# Altium PCB 6502_CPU_MainBoard_PCB_V1_2_x.PcbDoc (part 1 of 4) (continued)
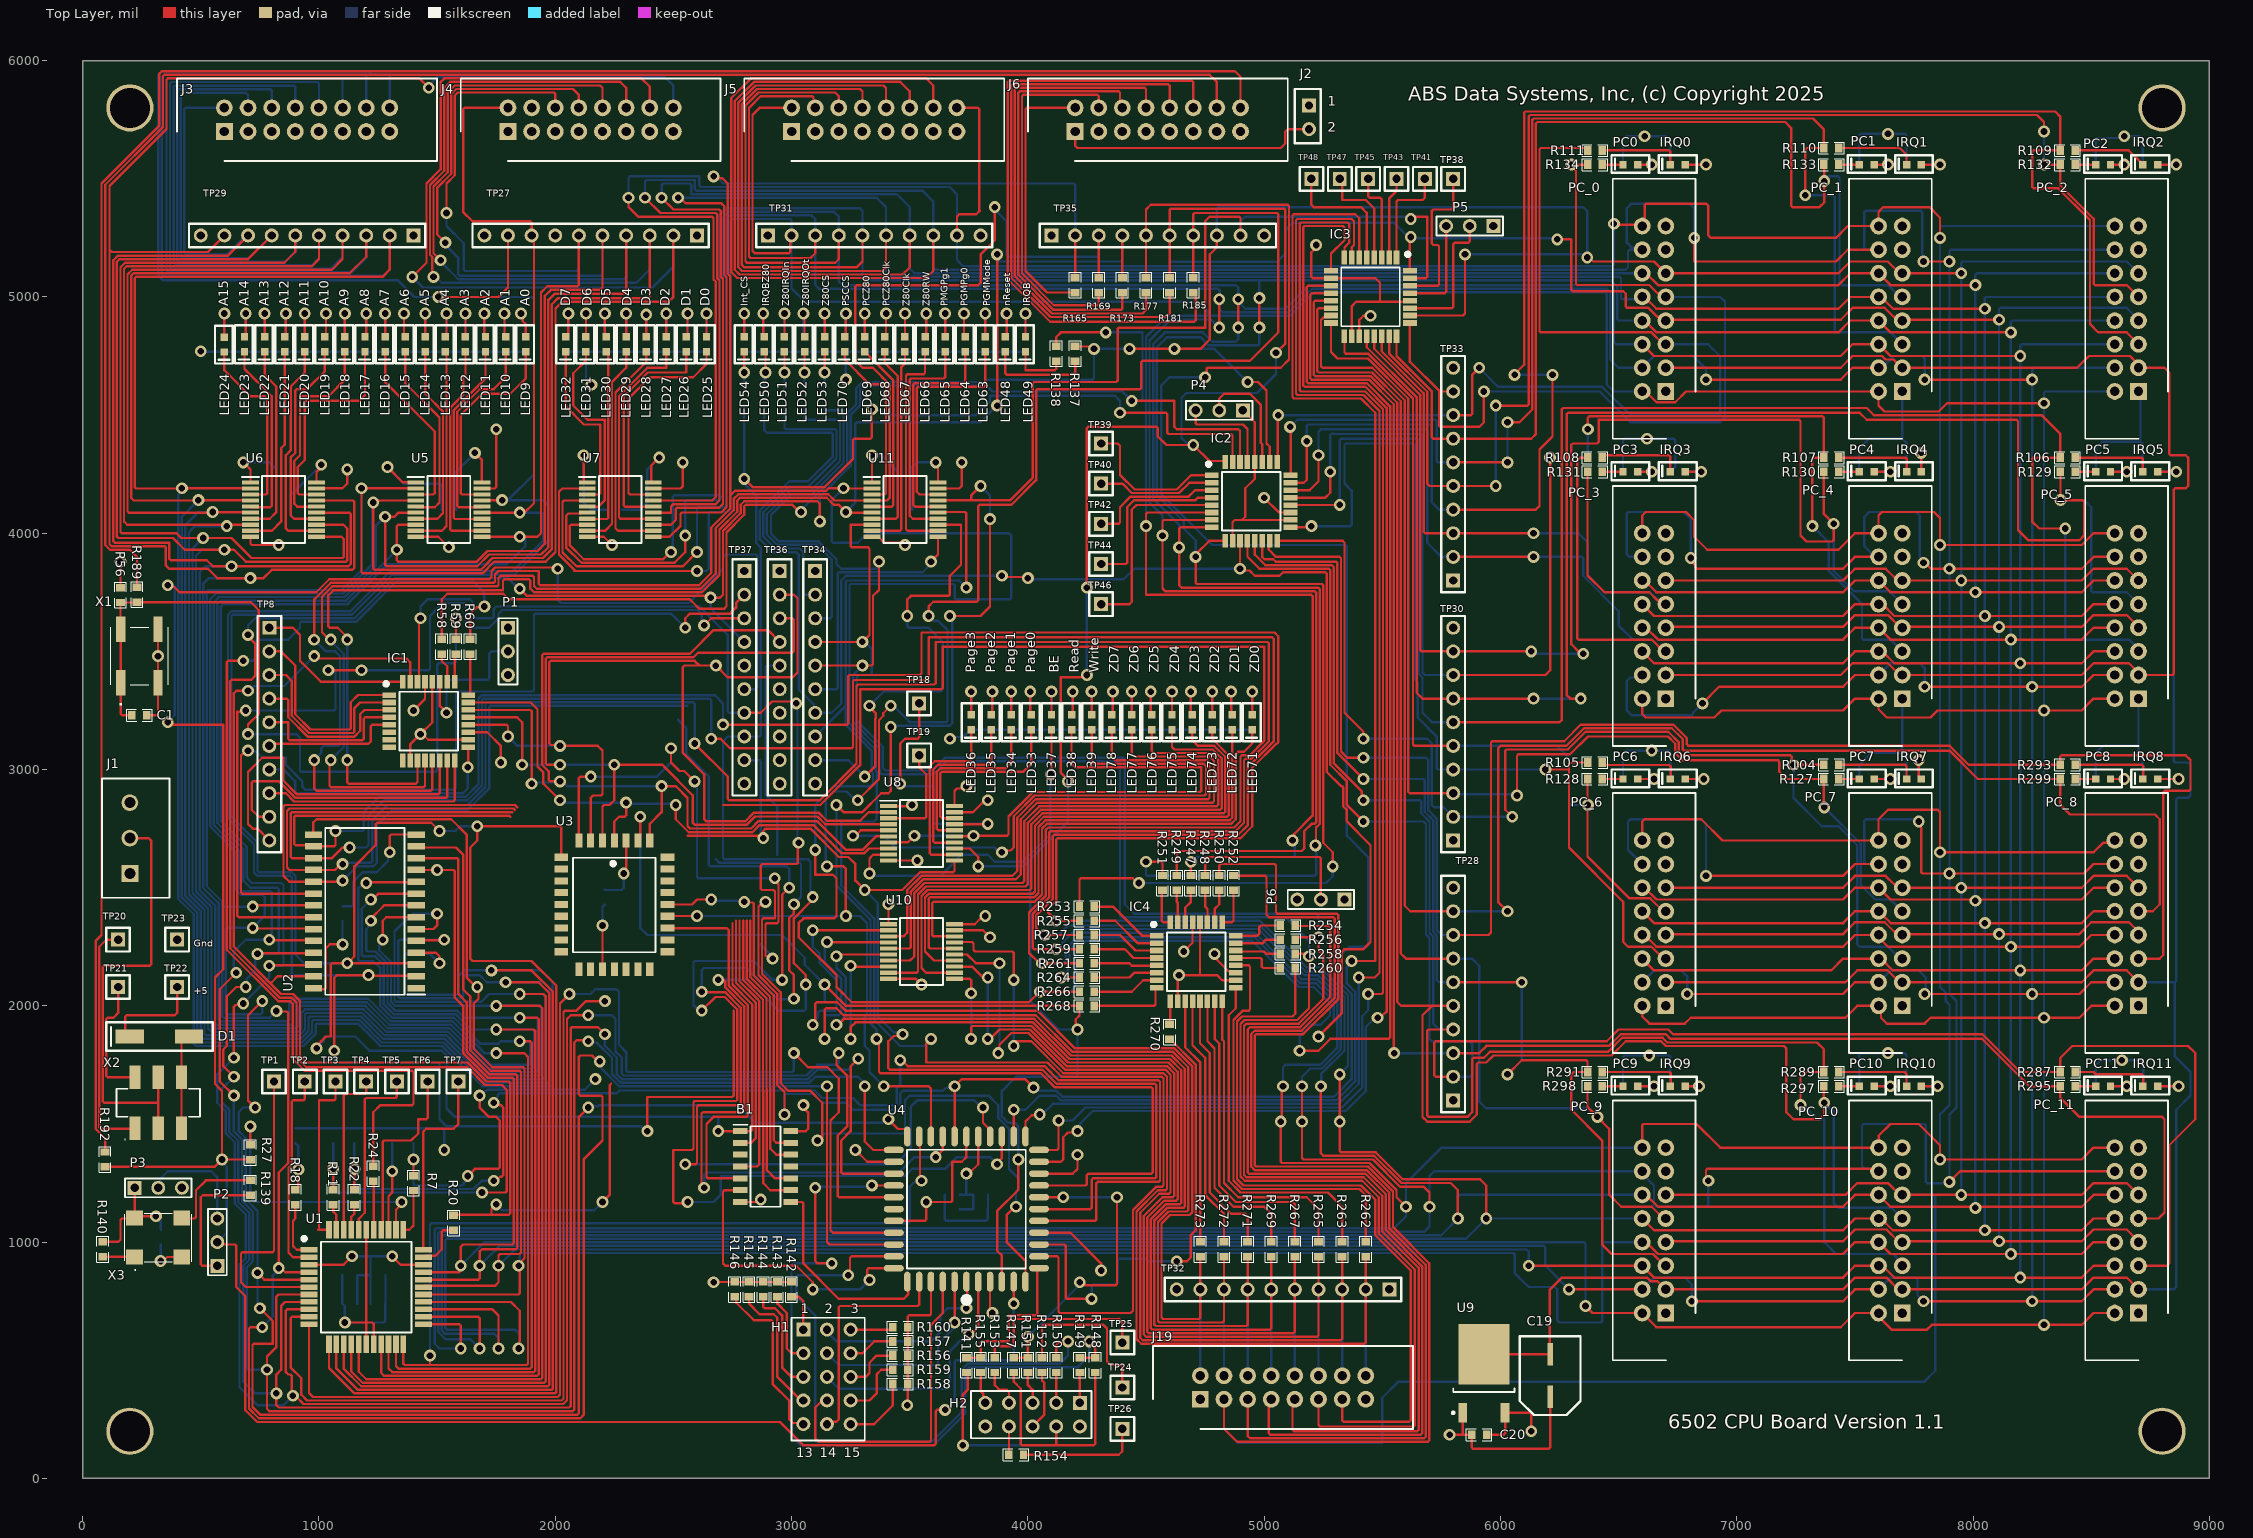
[diagram p0: Top Layer view]
## Part data (continued)
LED9 LED10 LED11 LED12 LED13 LED14 LED15 LED16 LED17 LED18 LED19 LED20 LED21 LED22 LED23 LED24: library part 150060GS75000, "Wurth Elektronik 0603 green", Case Code (Imperial)=0603, Case Code (Metric)=1608, Color=Green, Forward Current=30mA, Forward Voltage=3.2V, Manufacturer="Wurth Electronics", Max Operating Temperature=85°C, Min Operating Temperature=-40°C, Package Quantity=4000, Test Current=20mA, Case/Package=0603, Category=LEDs, ComponentLink1Description=https://datasheet.ciiva.com/29562/150060gs75000-29562868.pdf?src-supplier=Digi-Key, ComponentLink1URL=https://datasheet.ciiva.com/29562/150060gs75000-29562868.pdf?src-supplier=Digi-Key, ComponentLink2Description=https://datasheet.ciiva.com/29279/759427-da-01-en-chipled-0603-w-kl-gruen-150060gs75000-29279201.pdf?src-supplier=Conrad, ComponentLink2URL=https://datasheet.ciiva.com/29279/759427-da-01-en-chipled-0603-w-kl-gruen-150060gs75000-29279201.pdf?src-supplier=Conrad, ComponentLink3Description=https://datasheet.ciiva.com/29562/150060gs75000-29562869.pdf?src-supplier=Digi-Key, ComponentLink3URL=https://datasheet.ciiva.com/29562/150060gs75000-29562869.pdf?src-supplier=Digi-Key, ComponentLink4Description=https://datasheet.ciiva.com/29562/150060gs75000-29562870.pdf?src-supplier=Digi-Key, ComponentLink4URL=https://datasheet.ciiva.com/29562/150060gs75000-29562870.pdf?src-supplier=Digi-Key, Dominant Wavelength=520nm, Height=0.7mm, Lead Free="Lead Free", Length=1.6mm, Lens Style=Clear,Rectangular, Luminous Intensity=430mcd, Manufacturer Part Number=150060GS75000, Mount="Surface Mount", Packaging="Tape and Reel", Pricing 1="1=0.14000, 50=0.13300, 100=0.11400, 500=0.09900 (USD)", REACH SVHC=Unknown, RoHS=Yes, Stock 1=71509, Supplier 1=Digi-Key, Viewing Angle=140°, Wavelength=520nm, Width=0.8mm
LED25 LED26 LED27 LED28 LED29 LED30 LED31 LED32: library part 150060BS75000, "Wurth Elektronik 0603 blue", Case Code (Imperial)=0603, Case Code (Metric)=1608, Color=Green, Forward Current=30mA, Forward Voltage=3.2V, Manufacturer="Wurth Electronics", Manufacturer Part Number=150060GS75000, Max Operating Temperature=85°C, Min Operating Temperature=-40°C, Package Quantity=4000, Test Current=20mA, Case/Package=0603, Category=LEDs, ComponentLink1Description=https://datasheet.ciiva.com/29562/150060gs75000-29562868.pdf?src-supplier=Digi-Key, ComponentLink1URL=https://datasheet.ciiva.com/29562/150060gs75000-29562868.pdf?src-supplier=Digi-Key, ComponentLink2Description=https://datasheet.ciiva.com/29279/759427-da-01-en-chipled-0603-w-kl-gruen-150060gs75000-29279201.pdf?src-supplier=Conrad, ComponentLink2URL=https://datasheet.ciiva.com/29279/759427-da-01-en-chipled-0603-w-kl-gruen-150060gs75000-29279201.pdf?src-supplier=Conrad, ComponentLink3Description=https://datasheet.ciiva.com/29562/150060gs75000-29562869.pdf?src-supplier=Digi-Key, ComponentLink3URL=https://datasheet.ciiva.com/29562/150060gs75000-29562869.pdf?src-supplier=Digi-Key, ComponentLink4Description=https://datasheet.ciiva.com/29562/150060gs75000-29562870.pdf?src-supplier=Digi-Key, ComponentLink4URL=https://datasheet.ciiva.com/29562/150060gs75000-29562870.pdf?src-supplier=Digi-Key, Dominant Wavelength=520nm, Height=0.7mm, Lead Free="Lead Free", Length=1.6mm, Lens Style=Clear,Rectangular, Luminous Intensity=430mcd, Mount="Surface Mount", Packaging="Tape and Reel", Pricing 1="1=0.14000, 50=0.13300, 100=0.11400, 500=0.09900 (USD)", REACH SVHC=Unknown, RoHS=Yes, Stock 1=71509, Supplier 1=Digi-Key, Viewing Angle=140°, Wavelength=520nm, Width=0.8mm
P1 P2 P3 P4 P5 P6: "Header, 3-Pin", LatestRevisionDate=17-Jul-2002, LatestRevisionNote="Re-released for DXP Platform.", Publisher="Altium Limited"
R1 R2 R3 R4 R31 R56 R141 R142 R143 R144 R145 R146 R147 R148 R156 R157 R158 R159 R160: library part AC0603FR-7W1KL, "YAGEO 0603 1k ohm", Manufacturer_Name=KEMET, Manufacturer_Part_Number=RC0603JR-070RL, Mouser Part Number=603-RC0603JR-070RL, Datasheet Link=https://datasheet.datasheetarchive.com/originals/distributors/Datasheets_SAMA/902f9e387b938f871d31120f5fc1d65e.pdf, Geometry.Height=0.55mm, Mouser Price/Stock=https://www.mouser.co.uk/ProductDetail/YAGEO/RC0603JR-070RL?qs=2cAdsCoAWRGWyPcuXgGiXQ%3D%3D
R7 R11 R18 R20 R22 R24 R27 R58 R59 R60 R104 R105 R106 R107 R108 R109 R110 R111 R127 R128 R129 R130 R131 R132 R133 R134 R137 R138 R139 R140 R149 R150 R151 R152 R153 R154 R155 R165 R169 R173 R177 R181 R185 R189 R192 R247 R248 R249 R250 R251 R252 R253 R254 R255 R256 R257 R258 R259 R260 R261 R262 R263 R264 R265 R266 R267 R268 R269 R270 R271 R272 R273 R287 R288 R289 R290 R291 R292 R293 R294 R295 R296 R297 R298 R299: library part RC0603JR-070RL, "YAGEO 0603 0 ohm", Manufacturer_Name=KEMET, Mouser Part Number=603-RC0603JR-070RL, Datasheet Link=https://datasheet.datasheetarchive.com/originals/distributors/Datasheets_SAMA/902f9e387b938f871d31120f5fc1d65e.pdf, Geometry.Height=0.55mm, Manufacturer_Part_Number=RC0603JR-070RL, Mouser Price/Stock=https://www.mouser.co.uk/ProductDetail/YAGEO/RC0603JR-070RL?qs=2cAdsCoAWRGWyPcuXgGiXQ%3D%3D
R72 R73 R74 R75 R76 R77 R78 R79 R112 R113 R114 R115 R116 R117 R118 R119 R120 R121 R122 R123 R124 R125 R126 R274 R275 R276 R277 R278 R279 R280 R281 R282 R283 R284 R285 R286 R300 R301 R302 R303 R304 R305 R306 R307 R308 R309 R310 R311 R312 R313 R314 R315: library part RC0603FR-104K7L, "YAGEO 0603 4.7k", Manufacturer_Name=KEMET, Manufacturer_Part_Number=RC0603JR-070RL, Mouser Part Number=603-RC0603JR-070RL, Datasheet Link=https://datasheet.datasheetarchive.com/originals/distributors/Datasheets_SAMA/902f9e387b938f871d31120f5fc1d65e.pdf, Geometry.Height=0.55mm, Mouser Price/Stock=https://www.mouser.co.uk/ProductDetail/YAGEO/RC0603JR-070RL?qs=2cAdsCoAWRGWyPcuXgGiXQ%3D%3D
R80 R81 R82 R83 R84 R85 R86 R87 R88 R89 R90 R91 R92 R93 R94 R95 R96 R97 R98 R99 R100 R101 R102 R103: library part RC0603JR-0710KL, "YAGEO 0603 10k ohm", Manufacturer_Name=KEMET, Manufacturer_Part_Number=RC0603JR-070RL, Mouser Part Number=603-RC0603JR-070RL, Datasheet Link=https://datasheet.datasheetarchive.com/originals/distributors/Datasheets_SAMA/902f9e387b938f871d31120f5fc1d65e.pdf, Geometry.Height=0.55mm, Mouser Price/Stock=https://www.mouser.co.uk/ProductDetail/YAGEO/RC0603JR-070RL?qs=2cAdsCoAWRGWyPcuXgGiXQ%3D%3D
R135 R136: library part RC0603FR-10100RL, "YAGEO 0603 100 ohm", Manufacturer_Name=KEMET, Manufacturer_Part_Number=RC0603JR-070RL, Mouser Part Number=603-RC0603JR-070RL, Datasheet Link=https://datasheet.datasheetarchive.com/originals/distributors/Datasheets_SAMA/902f9e387b938f871d31120f5fc1d65e.pdf, Geometry.Height=0.55mm, Mouser Price/Stock=https://www.mouser.co.uk/ProductDetail/YAGEO/RC0603JR-070RL?qs=2cAdsCoAWRGWyPcuXgGiXQ%3D%3D
TP1 TP2 TP3 TP4 TP5 TP6 TP7 TP8 TP18 TP19 TP22 TP23 TP24 TP25 TP26 TP27 TP28 TP29 TP30 TP31 TP32 TP33 TP34 TP35 TP36 TP37 TP38 TP39 TP40 TP41 TP42 TP43 TP44 TP45 TP46 TP47 TP48: Color=Black, Manufacturer=Samtec, Manufacturer Part Number=TST-105-01-G-D, Max Operating Temperature=125°C, Min Operating Temperature=-55°C, Category="Headers and Wire Housings", ComponentLink1Description=https://datasheet.ciiva.com/739/tst-mkt-739845.pdf?src-supplier=Digi-Key, ComponentLink1URL=https://datasheet.ciiva.com/739/tst-mkt-739845.pdf?src-supplier=Digi-Key, ComponentLink2Description=https://datasheet.ciiva.com/10018/htst-10018510.pdf?src-supplier=Avnet, ComponentLink2URL=https://datasheet.ciiva.com/10018/htst-10018510.pdf?src-supplier=Avnet, Connector Type="Male Pin", Contact Material=Bronze, Contact Mating Length=0.25inch, Contact Plating=Gold, Depth=9.27mm, Gender=Male, Housing Color=Black, Housing Material=Polyester, Length=27.94mm, Mount="Through Hole", Number of Contacts=16, Number of Positions=16, Number of Rows=2, Orientation=Straight, Packaging=Rail/Tube, Pitch=2.54mm, Pricing 1="1=2.85000, 10=2.73600, 100=2.28000, 500=1.93800, 1000=1.65300, 5000=1.48200 (USD)", REACH SVHC="No SVHC", RoHS=Yes, Row Spacing=0.1inch, Stock 1=227, Supplier 1=Digi-Key, Termination=Solder
TP20 TP21: library part TP, Color=Black, Manufacturer=Samtec, Manufacturer Part Number=TST-105-01-G-D, Max Operating Temperature=125°C, Min Operating Temperature=-55°C, Category="Headers and Wire Housings", ComponentLink1Description=https://datasheet.ciiva.com/739/tst-mkt-739845.pdf?src-supplier=Digi-Key, ComponentLink1URL=https://datasheet.ciiva.com/739/tst-mkt-739845.pdf?src-supplier=Digi-Key, ComponentLink2Description=https://datasheet.ciiva.com/10018/htst-10018510.pdf?src-supplier=Avnet, ComponentLink2URL=https://datasheet.ciiva.com/10018/htst-10018510.pdf?src-supplier=Avnet, Connector Type="Male Pin", Contact Material=Bronze, Contact Mating Length=0.25inch, Contact Plating=Gold, Depth=9.27mm, Gender=Male, Housing Color=Black, Housing Material=Polyester, Length=27.94mm, Mount="Through Hole", Number of Contacts=16, Number of Positions=16, Number of Rows=2, Orientation=Straight, Packaging=Rail/Tube, Pitch=2.54mm, Pricing 1="1=2.85000, 10=2.73600, 100=2.28000, 500=1.93800, 1000=1.65300, 5000=1.48200 (USD)", REACH SVHC="No SVHC", RoHS=Yes, Row Spacing=0.1inch, Stock 1=227, Supplier 1=Digi-Key, Termination=Solder
U1: "Microprocessors - MPU 8-bit Microprocessor", Manufacturer_Name="Western Design Center (WDC)", Mouser Part Number=955-W65C02S6TQG-14, Datasheet Link=http://www.westerndesigncenter.com/wdc/documentation/w65c02s.pdf, Geometry.Height=2.7mm, Manufacturer_Part_Number=W65C02S6TQG-14, Mouser Price/Stock=https://www.mouser.co.uk/ProductDetail/Western-Design-Center-WDC/W65C02S6TQG-14?qs=opBjA1TV900Cx5CoX8hQeQ%3D%3D
U2: "SRAM 256K 32K x 8 4.5-5.5V 28pin 330mil SOP Industrial (-40 85 C) Low Power Asynch", Manufacturer_Name="Alliance Memory", Mouser Part Number=913-CY62256NLL55SNXI, Datasheet Link=https://www.cypress.com/file/43841/download, Geometry.Height=2.794mm, Manufacturer_Part_Number=CY62256NLL-55SNXI, Mouser Price/Stock=https://www.mouser.co.uk/ProductDetail/Alliance-Memory/CY62256NLL-55SNXI?qs=byeeYqUIh0Pp3ev9t84NaQ%3D%3D
U3: "NOR Flash 4.5 to 5.5 1Mbit Multi-Purpose Flash", Mouser Part Number=579-39SF040554CNHET, MicroChip Part Number=SST39SF040-55-4C-NHE-T, Supplier=Mouser
U4: "ATF1502AS-10JU44, CPLD ATF1502AS EEPROM 32 Cells, 32 I/O, 2 Labs, 10ns, ISP, 4.75  5.25 V 44-Pin PLCC", Manufacturer_Name=Microchip, Mouser Part Number=556-AF1502AS10JU44, Datasheet Link=http://ww1.microchip.com/downloads/en/DeviceDoc/Atmel-0995-CPLD-ATF1502AS(L)-Datasheet.pdf, Geometry.Height=4.572mm, Manufacturer_Part_Number=ATF1502AS-10JU44, Mouser Price/Stock=https://www.mouser.co.uk/ProductDetail/Microchip-Technology-Atmel/ATF1502AS-10JU44?qs=fH4tvdCgwtOmGOXETrb9sw%3D%3D
U5 U6 U7 U8 U10 U11: "Octal Buffers/Drivers With 3-State Outputs", Manufacturer_Name="Texas Instruments", Mouser Part Number=595-SN74ABT240ADBR, Datasheet Link=http://www.ti.com/lit/gpn/sn74abt240a, Geometry.Height=2mm, Manufacturer_Part_Number=SN74ABT240ADBR, Mouser Price/Stock=https://www.mouser.co.uk/ProductDetail/Texas-Instruments/SN74ABT240ADBR?qs=JHHQeKcAU3Dt82k%252BVyiYdw%3D%3D
U9: library part PM-REG-LD1117-SOT3, "3.3V Voltage Regulator SMD", ComponentLink1Description="Manufacturer URL", ComponentLink1URL=http://www.st.com, ComponentLink2Description=Datasheet, ComponentLink2URL=http://www.st.com/internet/com/TECHNICAL_RESOURCES/TECHNICAL_LITERATURE/DATASHEET/CD00000544.pdf, DatasheetVersion=1/11/2011, PackageDescription="3-Pin Transistor Outline Package 2.28 mm Pitch, 9.7 mm Lead Span (DPAK)", PackageReference=TO-252, PackageVersion=2011
X1: "ALPS - SKRAAME010 - SWITCH, SMD, 1.96N, 6.2X6.2MM", Manufacturer_Name="ALPS Electric", Mouser Part Number=688-SKRAAME010, Datasheet Link=https://componentsearchengine.com/Datasheets/1/SKRAAME010.pdf, Geometry.Height=5.3mm, Manufacturer_Part_Number=SKRAAME010, Mouser Price/Stock=https://www.mouser.com/Search/Refine.aspx?Keyword=688-SKRAAME010
X2: "Sub miniature slide switches", Manufacturer_Name="C & K COMPONENTS", Mouser Part Number=611-JS202011SCQN, Datasheet Link=http://www.ckswitches.com/media/1422/js.pdf, Geometry.Height=5.5mm, Manufacturer_Part_Number=JS202011SCQN, Mouser Price/Stock=https://www.mouser.co.uk/ProductDetail/CK/JS202011SCQN?qs=LgMIjt8LuD95JYWxZ7NvZA%3D%3D
X3: "Standard Clock Oscillators 13.56MHz 5V 100ppm -40C +85C", Manufacturer_Name=IQD, Mouser Part Number=449-LFSPXO025876REEL, Datasheet Link=https://componentsearchengine.com/Datasheets/1/LFSPXO025876Reel.pdf, Geometry.Height=1.4mm, Manufacturer_Part_Number=LFSPXO025876Reel, Mouser Price/Stock=https://www.mouser.co.uk/ProductDetail/IQD/LFSPXO025876Reel?qs=e4%2FAndAAwgKQk%252Bo7MiilFg%3D%3D

## Free pads (board coordinates)
  round 200 hole 170: 37(200,200) 37(200,5800) 37(8800,200) 37(8800,5800)

## Via types
v1: diameter 50, hole 28, Top Layer to Bottom Layer, 604 vias

## Nets (pads, with @x,y where several pads share a name; then routed paths per layer and width w, separated by ;. In a path a pad name is that pad's centre, name@x,y a point inside that pad or via, vN(x,y) a via of type N, cw(c..) or ccw(c..) an arc to the next point about the centre after c; other vN are vias at no path point)
+3.3: C19.1 PC_0.3 PC_1.3 PC_2.3 PC_3.3 PC_4.3 PC_5.3 PC_6.3 PC_7.3 PC_8.3 PC_9.3 PC_10.3 PC_11.3 U9.4 | length 14337.9
  Top Layer w10: U9.4@5930,525.71 6209.29,525.71 6209.29,799.29 6260,850 6620,850 6635,835 6663.68,835 6698.68,800 PC_9.3@6700,800 7450,800 7500,850 7633.71,850 7683.71,800 8460,800 8510,850 8650,850 PC_11.3@8700,800 ; PC_6.3@6700,2100 7460,2100 7510,2150 7638.79,2150 7688.79,2100 8460,2100 8510,2150 8650,2150 PC_8.3@8700,2100 ; PC_3.3@6700,3400 7440,3400 7490,3450 7640,3450 7690,3400 8460,3400 8510,3450 8660,3450 8700,3410 PC_5.3@8700,3400 8844.14,3400 8850,3405.86 8850,4184.14 8855.86,4190 8900,4190 8910,4200 8910,4320 8900,4330 8835.86,4330 8830,4335.86 8830,4680 8810,4700 PC_2.3@8700,4700 8700,4714.14 8664.14,4750 8490,4750 8440,4700 PC_1.3@7700,4700 7698.68,4700 7663.68,4735 7629.25,4735 7614.25,4750 7490,4750 7440,4700 PC_0.3@6700,4700
  Bottom Layer w10: PC_11.3@8700,800 8850,800 8860,810 8860,1560 8920,1620 8920,1720 8854.14,1785.86 8854.14,2100 ; PC_8.3@8700,2100 8854.14,2100 ; PC_5.3@8700,3400 8844.14,3400 8850,3394.14 8850,3035.86 8855.86,3030 8910,3030 8920,3020 8920,2890 8910,2880 8865.86,2880 8860,2874.14 8860,2105.86 8854.14,2100
+5: B1.14 C2.1 C3.1 C4.1 C5.1 C6.1 C7.1 C8.1 C9.1 C10.1 C11.1 C12.1 C13.1 C14.1 C15.1 C16.1 C17.1 C18.1 C20.1 D1.1 H2.4 IC1.10 IC1.18 IC1.28 IC2.10 IC2.18 IC2.28 IC3.10 IC3.18 IC3.28 IC4.10 IC4.18 IC4.28 J2.1 J19.1 P1.1 P3.1 P4.1 P5.1 P6.1 PC_0.1 PC_1.1 PC_2.1 PC_3.1 PC_4.1 PC_5.1 PC_6.1 PC_7.1 PC_8.1 PC_9.1 PC_10.1 PC_11.1 R1.2 R2.2 R3.2 R4.2 R31.2 R56.1 R72.1 R73.1 R74.1 R75.1 R76.1 R77.1 R78.1 R79.1 R80.2 R81.2 R82.2 R83.2 R84.2 R85.2 R86.2 R87.2 R88.2 R89.2 R90.2 R91.2 R92.2 R93.2 R94.2 R95.2 R96.1 R97.1 R98.1 R99.1 R100.1 R101.1 R102.1 R103.1 R112.1 R113.1 R114.1 R115.1 R116.1 R117.1 R118.1 R119.1 R120.1 R121.1 R122.1 R123.1 R124.1 R125.1 R126.1 R135.1 R136.1 R140.1 R141.1 R142.1 R143.1 R144.1 R145.1 R146.1 R147.1 R148.1 R274.1 R275.1 R276.1 R277.1 R278.1 R279.1 R280.1 R281.1 R282.1 R283.1 R284.1 R285.1 R286.1 R300.1 R301.1 R302.1 R303.1 R304.1 R305.1 R306.1 R307.1 R308.1 R309.1 R310.1 R311.1 R312.1 R313.1 R314.1 R315.1 TP22.1 U1.3 U1.31 U2.28 U3.32 U4.3 U4.15 U4.23 U4.35 U5.20 U6.20 U7.20 U8.20 U9.3 U10.20 U11.20 X3.4 | length 23113.9
  Top Layer w10: R140.1@85,1001.5 151.5,1001.5 160,1010 160,1094.14 165.86,1100 217.32,1100 X3.4@220,1102.68 ; R56.1@160,3770 v1(160,3880) ; D1.1@200,1870 180,1890 180,1954.14 185.86,1960 390,1960 400,1970 TP22.1@400,2080 ; D1.1@200,1874.98 D1.1@204.98,1870 ; P3.1@220,1230 X3.4@220,1102.68 ; v1(310,1110) 227.32,1110 X3.4@220,1102.68 ; U1.3@957.87,904.49 1104.49,904.49 v1(1140,940) ; U2.28@976.67,2075 981.67,2070 1024.14,2070 1030,2075.86 1030,2244.14 1045.86,2260 v1(1100,2260) ; U6.20@989.76,4215.16 989.76,4258.94 1010,4279.18 v1(1010,4290) ; v1(1310,940) 1345.51,904.49 U1.31@1442.13,904.49 ; IC1.10@1385.75,3038.15 1385.75,3105.75 v1(1430,3150) ; IC1.28@1480.24,3371.85 1480.24,3200.24 v1(1430,3150) ; IC1.18@1631.34,3126.26 1462.83,3126.26 1439.09,3150 v1(1430,3150) ; v1(1660,4340) 1689.76,4310.24 U5.20@1689.76,4215.16 ; v1(2290,2560) 2290,2570 2300,2580 U3.32@2300,2700 ; U7.20@2414.76,4215.16 2409.86,4215.16 2406,4219.02 2406,4286 v1(2440,4320) ; v1(2670,830) 2680,830 2681.5,831.5 R146.1@2760,831.5 R145.1@2820,831.5 R144.1@2880,831.5 R143.1@2940,831.5 R142.1@3000,831.5 ; B1.14@2996.77,1470 3060,1470 3070,1480 3070,1549.18 3050,1569.18 v1(3050,1580) ; U4.35@3432.79,1090 3564.14,1090 3570,1095.86 v1(3570,1170) 3674.14,1170 3680,1175.86 3680,1340 3720,1340 3740,1360 U4.23@3740,1447.2 ; v1(3610,4300) 3619.76,4290.24 U11.20@3619.76,4215.16 ; U10.20@3689.76,2345.16 3775.16,2345.16 3810.86,2380.86 3819.14,2380.86 v1(3820,2380) ; U8.20@3689.76,2845.16 3689.76,2909.76 3700,2920 3734.14,2920 3740,2925.86 v1(3740,2930) ; v1(3725,140) 3725,355 3745,375 3745,443.5 R141.1@3740,448.5 ; U4.3@3840,832.8 3840,710 v1(3850,700) ; R147.1@3940,448.5 3940,410 3970,380 3970,145.86 3975.86,140 4119.14,140 4120,140.86 ; U4.15@4047.2,1290 4190,1290 4210,1310 v1(4210,1370) ; H2.4@4120,220 4120,140.86 ; R148.1@4285,448.5 4285,146.72 4279.14,140.86 4120,140.86 ; IC4.10@4634.02,2020 4634.02,2124.14 v1(4639.87,2130) 4728.5,2130 ; IC4.28@4728.5,2353.7 4728.5,2130 ; IC2.10@4866.26,3968.15 4866.26,4046.66 4875.86,4056.26 4906.26,4056.26 ; IC4.18@4879.61,2108.11 4821.89,2108.11 4800,2130 4728.5,2130 ; P4.1@4910,4520 4960,4470 4960,4302.6 IC2.28@4960.75,4301.85 4960.75,4230.75 4920,4190 4920,4070 4906.26,4056.26 ; IC2.18@5111.85,4056.26 4906.26,4056.26 ; v1(5220,5220) 5220,5209.18 5200,5189.18 5200,5084.6 5205.86,5078.74 IC3.10@5283.15,5078.74 5471.26,5078.74 5490,5060 5490,4980 ; IC3.18@5371.26,4833.15 5371.26,4961.26 5390,4980 5490,4980 ; IC3.28@5616.85,4984.25 5612.6,4980 5490,4980 ; C20.1@5941.5,185 6013.91,185 6019.76,190.86 U9.3@6019.76,277.68 6124.14,277.68 6130,271.82 v1(6130,200)
  Bottom Layer w10: v1(310,1110) 330,1090 C18.1@330,1051.5 ; v1(500,4770) 501.5,4768.5 R95.2@600,4768.5 R94.2@685,4768.5 R93.2@770,4768.5 R92.2@855,4768.5 R91.2@940,4768.5 R90.2@1025,4768.5 R89.2@1110,4768.5 R88.2@1195,4768.5 R87.2@1280,4768.5 R86.2@1365,4768.5 R85.2@1450,4768.5 R84.2@1535,4768.5 R83.2@1620,4768.5 R82.2@1705,4768.5 R81.2@1790,4768.5 R80.2@1875,4768.5 ; C3.1@881.5,4100 881.5,4161.5 v1(1010,4290) ; R2.2@900,1481.5 R3.2@1060,1481.5 R1.2@1150,1481.5 1524.14,1481.5 1530,1475.64 v1(1530,1390) ; v1(1100,2260) C16.1@1100,2358.5 ; v1(1140,940) v1(1310,940) ; C8.1@1161.5,740 C7.1@1161.5,800 C6.1@1161.5,860 C9.1@1218.5,860 ; C11.1@1218.5,740 C10.1@1218.5,800 C9.1@1218.5,860 ; 1218.5,940 C9.1@1218.5,860 ; C2.1@1581.5,4100 1581.5,4261.5 v1(1660,4340) ; R103.1@2045,4768.5 R102.1@2130,4768.5 ; v1(2153,4628) 2148,4633 2148,4635 2130,4653 R102.1@2130,4768.5 ; C17.1@2210,2491.5 2211.5,2490 2280,2490 2290,2500 v1(2290,2560) ; C4.1@2281.5,4100 2360,4100 2390,4130 2390,4270 v1(2440,4320) ; R96.1@2640,4768.5 R97.1@2555,4768.5 R98.1@2470,4768.5 R99.1@2385,4768.5 R100.1@2300,4768.5 R101.1@2215,4768.5 R102.1@2130,4768.5 ; R278.1@2800,4768.5 R274.1@2885,4768.5 R275.1@2970,4768.5 R276.1@3055,4768.5 R277.1@3140,4768.5 R307.1@3225,4768.5 ; v1(3230,4650) 3230,4763.5 R307.1@3225,4768.5 ; C5.1@3511.5,4100 3511.5,4281.5 3530,4300 v1(3610,4300) ; v1(3570,1170) 3648.5,1170 ; C14.1@3648.5,1200 3648.5,1170 ; v1(3670,3130) 3677.65,3137.65 3726.2,3137.65 3757.05,3168.5 R114.1@3845,3168.5 R113.1@3930,3168.5 R112.1@4015,3168.5 R116.1@4100,3168.5 R117.1@4185,3168.5 R118.1@4270,3168.5 R315.1@4355,3168.5 R314.1@4440,3168.5 R313.1@4525,3168.5 R312.1@4610,3168.5 R311.1@4695,3168.5 R310.1@4780,3168.5 R309.1@4865,3168.5 R308.1@4950,3168.5 ; v1(3725,140) 4114.14,140 4120,145.86 H2.4@4120,220 ; C12.1@3831.5,1200 C13.1@3831.5,1140 3830,1138.5 3830,1095.86 3824.14,1090 3654.36,1090 3648.5,1095.86 C15.1@3648.5,1140 3648.5,1170 ; R136.1@3990,4768.5 R135.1@3905,4768.5 R300.1@3820,4768.5 R301.1@3735,4768.5 R302.1@3650,4768.5 R303.1@3565,4768.5 R304.1@3480,4768.5 R305.1@3395,4768.5 R306.1@3310,4768.5 R307.1@3225,4768.5 ; R285.1@6518.5,1660 6518.5,1784.14 6524.36,1790 6712.65,1790 6718.5,1784.14 R281.1@6718.5,1660 ; R120.1@6518.5,2960 6518.5,3068.5 6530,3080 v1(6640,3080) 6712.65,3080 6718.5,3074.14 R73.1@6718.5,2960 ; R123.1@6518.5,4260 6518.5,4394.14 6524.36,4400 6733.3,4400 6739.16,4394.14 6739.16,4280.66 6732.2,4273.7 6729.25,4273.7 6718.5,4262.95 R76.1@6718.5,4260 ; R126.1@6518.5,5560 6518.5,5664.14 6534.36,5680 v1(6610,5680) 6700,5680 6718.5,5661.5 R79.1@6718.5,5560 ; R284.1@7518.5,1660 7518.5,1794.14 7524.36,1800 7710,1800 7718.5,1791.5 R280.1@7718.5,1660 ; R119.1@7518.5,2960 7518.5,3018.5 7570,3070 7694.14,3070 7700,3075.86 ; R122.1@7518.5,4260 7518.5,4358.5 7560,4400 7700,4400 ; R125.1@7518.5,5560 7518.5,5684.14 7524.36,5690 7712.65,5690 7718.5,5684.14 R78.1@7718.5,5560 ; PC_4.1@7700,3300 7700,3075.86 ; PC_1.1@7700,4600 7700,4400 ; R72.1@7718.5,2960 7718.5,3057.35 7700,3075.86 ; R75.1@7720,4260 7720,4380 7700,4400 ; R283.1@8518.5,1660 8518.5,1748.5 8540,1770 8710,1770 8720,1760 8720,1661.5 R279.1@8718.5,1660 ; R286.1@8518.5,2960 8518.5,3068.5 8550,3100 8700,3100 ; R121.1@8518.5,4260 8518.5,4358.5 8547.24,4387.24 8708.5,4387.24 ; R124.1@8518.5,5560 8518.5,5666.49 8524.36,5672.35 8632.35,5672.35 v1(8640,5680) 8702.65,5680 8718.5,5664.14 R77.1@8718.5,5560 ; PC_5.1@8700,3300 8700,3100 ; PC_2.1@8700,4600 8708.5,4591.5 8708.5,4387.24 ; R282.1@8718.5,2960 8718.5,3041.5 8700,3060 8700,3100 ; R74.1@8718.5,4260 8718.5,4377.24 8708.5,4387.24
  other v1: 8630,1770 6630,1790 7640,1800 6620,4400 7640,5690
A0: J4.14 TP27.2 U1.4 U2.21 U3.12 U4.37 U5.2 | length 17047.6
  Top Layer w10: v1(720,2420) 725,2425 U2.21@976.67,2425 ; v1(760,640) 709.64,640 703.79,634.14 703.79,296.21 745,255 2106.57,255 2120,268.43 2120,1350 2200,1430 2200,1614.14 2194.14,1620 2105.86,1620 2100,1625.86 2100,1784.14 2105.86,1790 2155.54,1790 2180.48,1765.06 v1(2188,1765.06) ; v1@800,1975.92 864.14,1975.92 870,1970.06 870,1334.55 830,1294.55 v1(830,890) 840.82,890 857.83,872.99 U1.4@957.87,872.99 ; v1(1395,5085) 1455,5145 1455,5480 1515,5540 1515,5909.14 1530.86,5925 2365,5925 2400,5890 J4.14@2400,5800 ; U5.2@1410.24,4189.57 1410.02,4189.78 1180.22,4189.78 v1(1180,4190) 1180,3835.86 1185.86,3830 1692.07,3830 1742.07,3880 1960,3880 2001,3921 2001,4951 2030,4980 2480,4980 2500,5000 TP27.2@2500,5260 ; v1(3150,1660) 3150,1000 3160,990 U4.37@3432.79,990
  Bottom Layer w10: v1(720,2420) 590.61,2420 ; v1(760,640) 805,685 805,858.43 830,883.43 v1(830,890) ; v1(820,1978) 819.43,1978 791.43,1950 596.46,1950 590.61,1955.86 590.61,2420 ; v1(1180,4190) 1180,3843.64 1096.36,3760 530.86,3760 525,3754.14 525,2506.21 590.61,2440.61 590.61,2420 ; v1(1395,5085) 1440,5040 2411.72,5040 2500,5128.28 TP27.2@2500,5260 ; v1(2188,1765.06) 2195.66,1757.4 2195.66,1734.34 2270,1660 v1(3150,1660) ; J4.14@2400,5800 J4.14@2405.86,5805.86
A1: J4.12 TP27.3 U1.5 U2.23 U3.11 U4.28 U5.4 | length 15590.7
  Top Layer w10: v1(720,2330) 722.5,2327.5 974.17,2327.5 U2.23@976.67,2325 ; v1(730,1570) 700,1600 700,1960.5 v1(759.75,2020.25) ; v1(740,870) 768.5,841.5 U1.5@957.87,841.5 ; v1(750,720) 805,665 805,570 724.64,570 718.79,564.14 718.79,302.43 751.21,270 2094.14,270 2100,275.86 2100,1530 v1(2140,1570) ; U5.4@1410.24,4138.39 1255.86,4138.39 1255.13,4137.65 1237.65,4137.65 v1(1230,4130) 1230,3850.86 1235.86,3845 1685,3845 1735,3895 1947.93,3895 1986,3933.07 1986,4969.28 2011.72,4995 2394.14,4995 2400,5000.86 TP27.3@2400,5260 ; v1(1485,5085) 1480,5090 1480,5168.79 1470,5178.79 1470,5473.79 1530,5533.79 1530,5884.14 1555.86,5910 2275,5910 2300,5885 J4.12@2300,5800 ; v1(3410,1520) 3451.01,1478.99 3481.89,1478.99 3490,1470.88 U4.28@3490,1447.2
  Bottom Layer w10: v1(730,1570) 680,1570 660,1550 660,1470 690,1440 690,1181.21 740,1131.21 v1(740,870) v1@740,740.82 ; v1(759.75,2020.25) 759.75,1970.86 753.89,1965 611.46,1965 605.61,1970.86 605.61,2324.14 611.46,2330 v1(720,2330) 770,2380 770,2460 760,2470 669.64,2470 650,2489.64 650,2648.79 540,2758.79 540,3721.21 563.79,3745 1102.57,3745 1225,3867.43 1225,4125 v1(1230,4130) ; v1(1485,5085) 1495,5085 1520,5060 2344.14,5060 2400,5115.86 TP27.3@2400,5260 ; v1(2140,1570) 2144.59,1574.59 2180,1574.59 2185.41,1580 2770,1580 2845,1505 3384.18,1505 3399.18,1520 v1(3410,1520)
A2: J4.10 TP27.4 U1.7 U2.24 U3.10 U4.29 U5.6 | length 15327.9
  Top Layer w10: v1(640,1620) 580,1680 580,2070 v1(650,2140) ; v1(790,2280) 792.5,2277.5 974.17,2277.5 U2.24@976.67,2275 ; U1.7@957.87,778.5 828.5,778.5 820,770 820,556.21 780,516.21 v1(780,460) 780,295 790,285 2074.14,285 2080,290.86 2080,1844.14 2090,1854.14 2135.86,1854.14 v1(2140,1850) ; U5.6@1410.24,4087.2 1337.2,4087.2 1320,4070 v1(1280,4070) 1280,3865.86 1285.86,3860 1670,3860 1720,3910 1940,3910 1971,3941 1971,4987.31 1996.72,5013.03 2294.14,5013.03 2300,5018.89 TP27.4@2300,5246.73 ; v1(1515,5155) 1485,5185 1485,5467.43 1545,5527.43 1545,5865 1575,5895 2190,5895 2200,5885 J4.10@2200,5800 ; v1(3310,1660) 3310,1425.86 3345.86,1390 U4.29@3432.79,1390
  Bottom Layer w10: v1(640,1620) 640,1468.79 674.39,1434.39 674.39,1175.61 720,1130 720,918.79 695,893.79 695,465.86 700.86,460 v1(780,460) ; v1(650,2140) 645,2140 640,2145 640,2230 690,2280 v1(790,2280) 797.65,2287.65 797.65,2303.51 800,2305.86 800,2479.14 794.14,2485 675.86,2485 665,2495.86 665,2655 555,2765 555,3707.36 577.64,3730 1108.79,3730 1240,3861.21 1240,4030 v1(1280,4070) ; v1(1515,5155) 1515,5149.64 1589.64,5075 2291.04,5075 2300,5083.96 TP27.4@2300,5260 ; v1(2140,1850) 2145,1845 2175,1845 2240,1780 2240,1711.21 2276.21,1675 3076.21,1675 3101.21,1700 3280.82,1700 3310,1670.82 v1(3310,1660)